# Altium PCB QCLogic Rev A.PcbDoc (part 1 of 3)
Units mm, origin at the board's own origin, x right, y up, seen from the top; angles counter-clockwise.
Board outline 42 x 51.55 mm, 6 copper layers (Layer 1, Layer 2, Layer 3, Layer 4, Layer 5, Layer 6), stack 1.598 mm thick; 239 components, 183 nets, 740 pads, 472 vias.
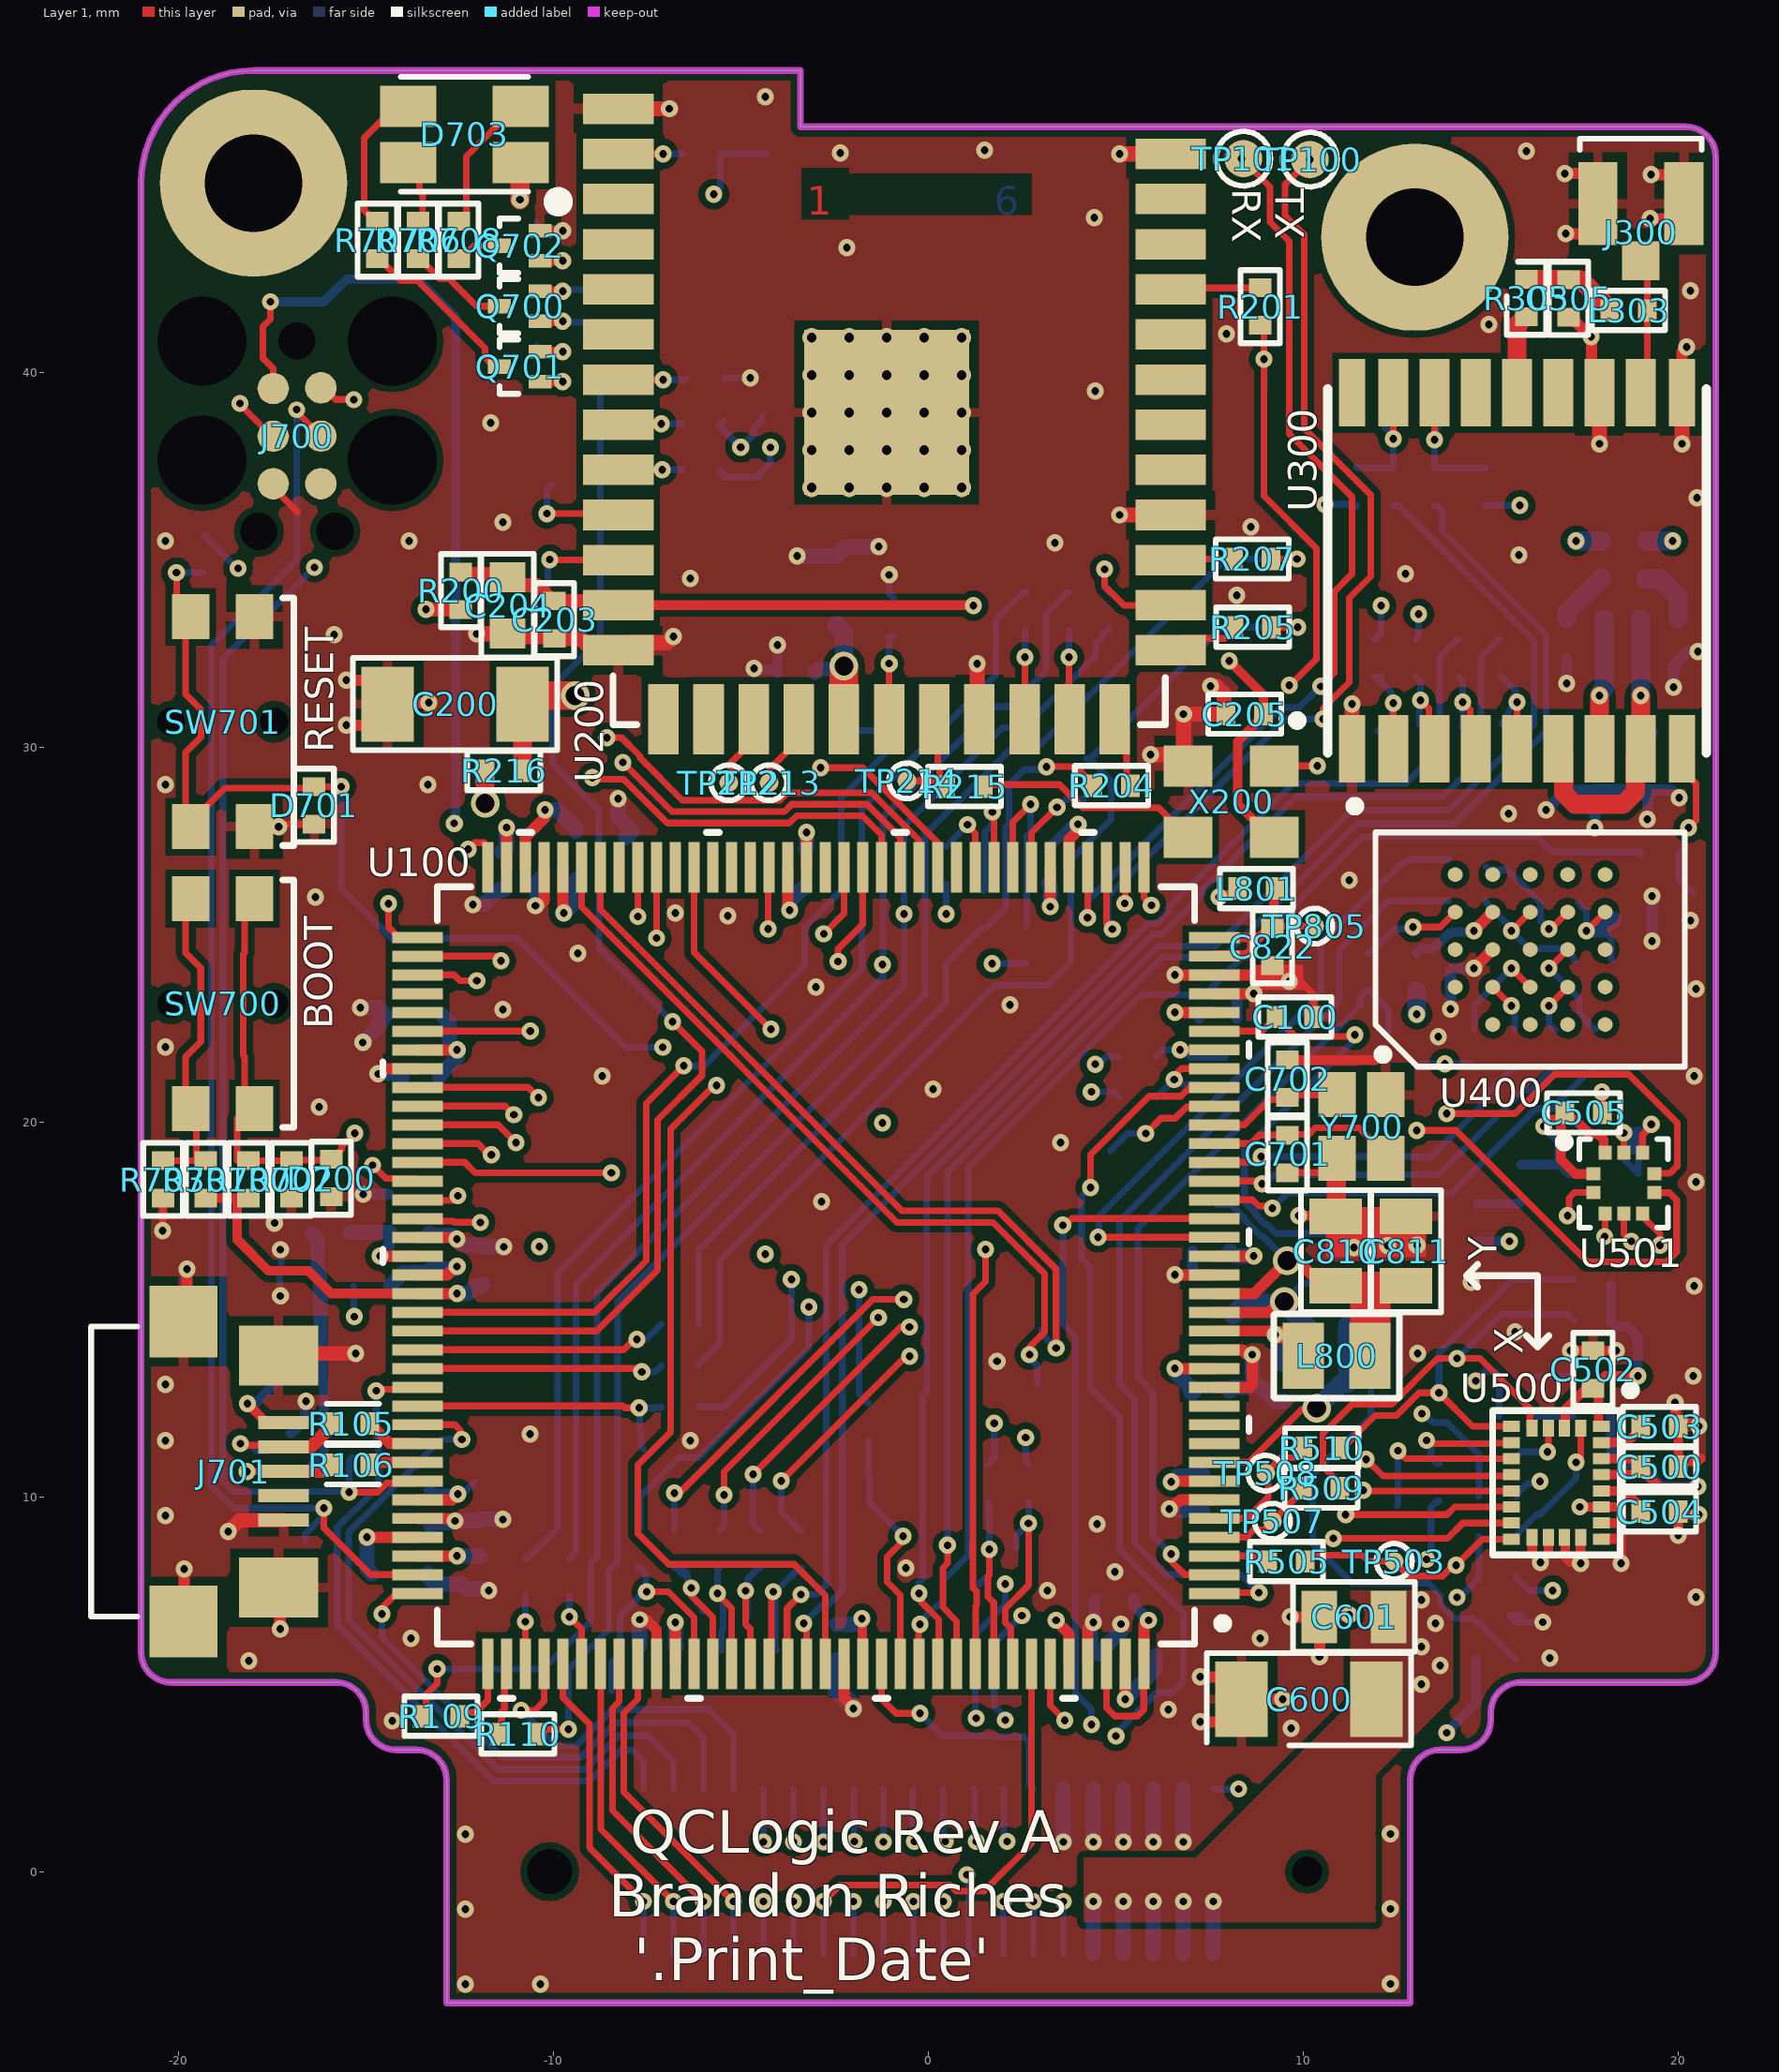
[diagram p0: Layer 1 view]
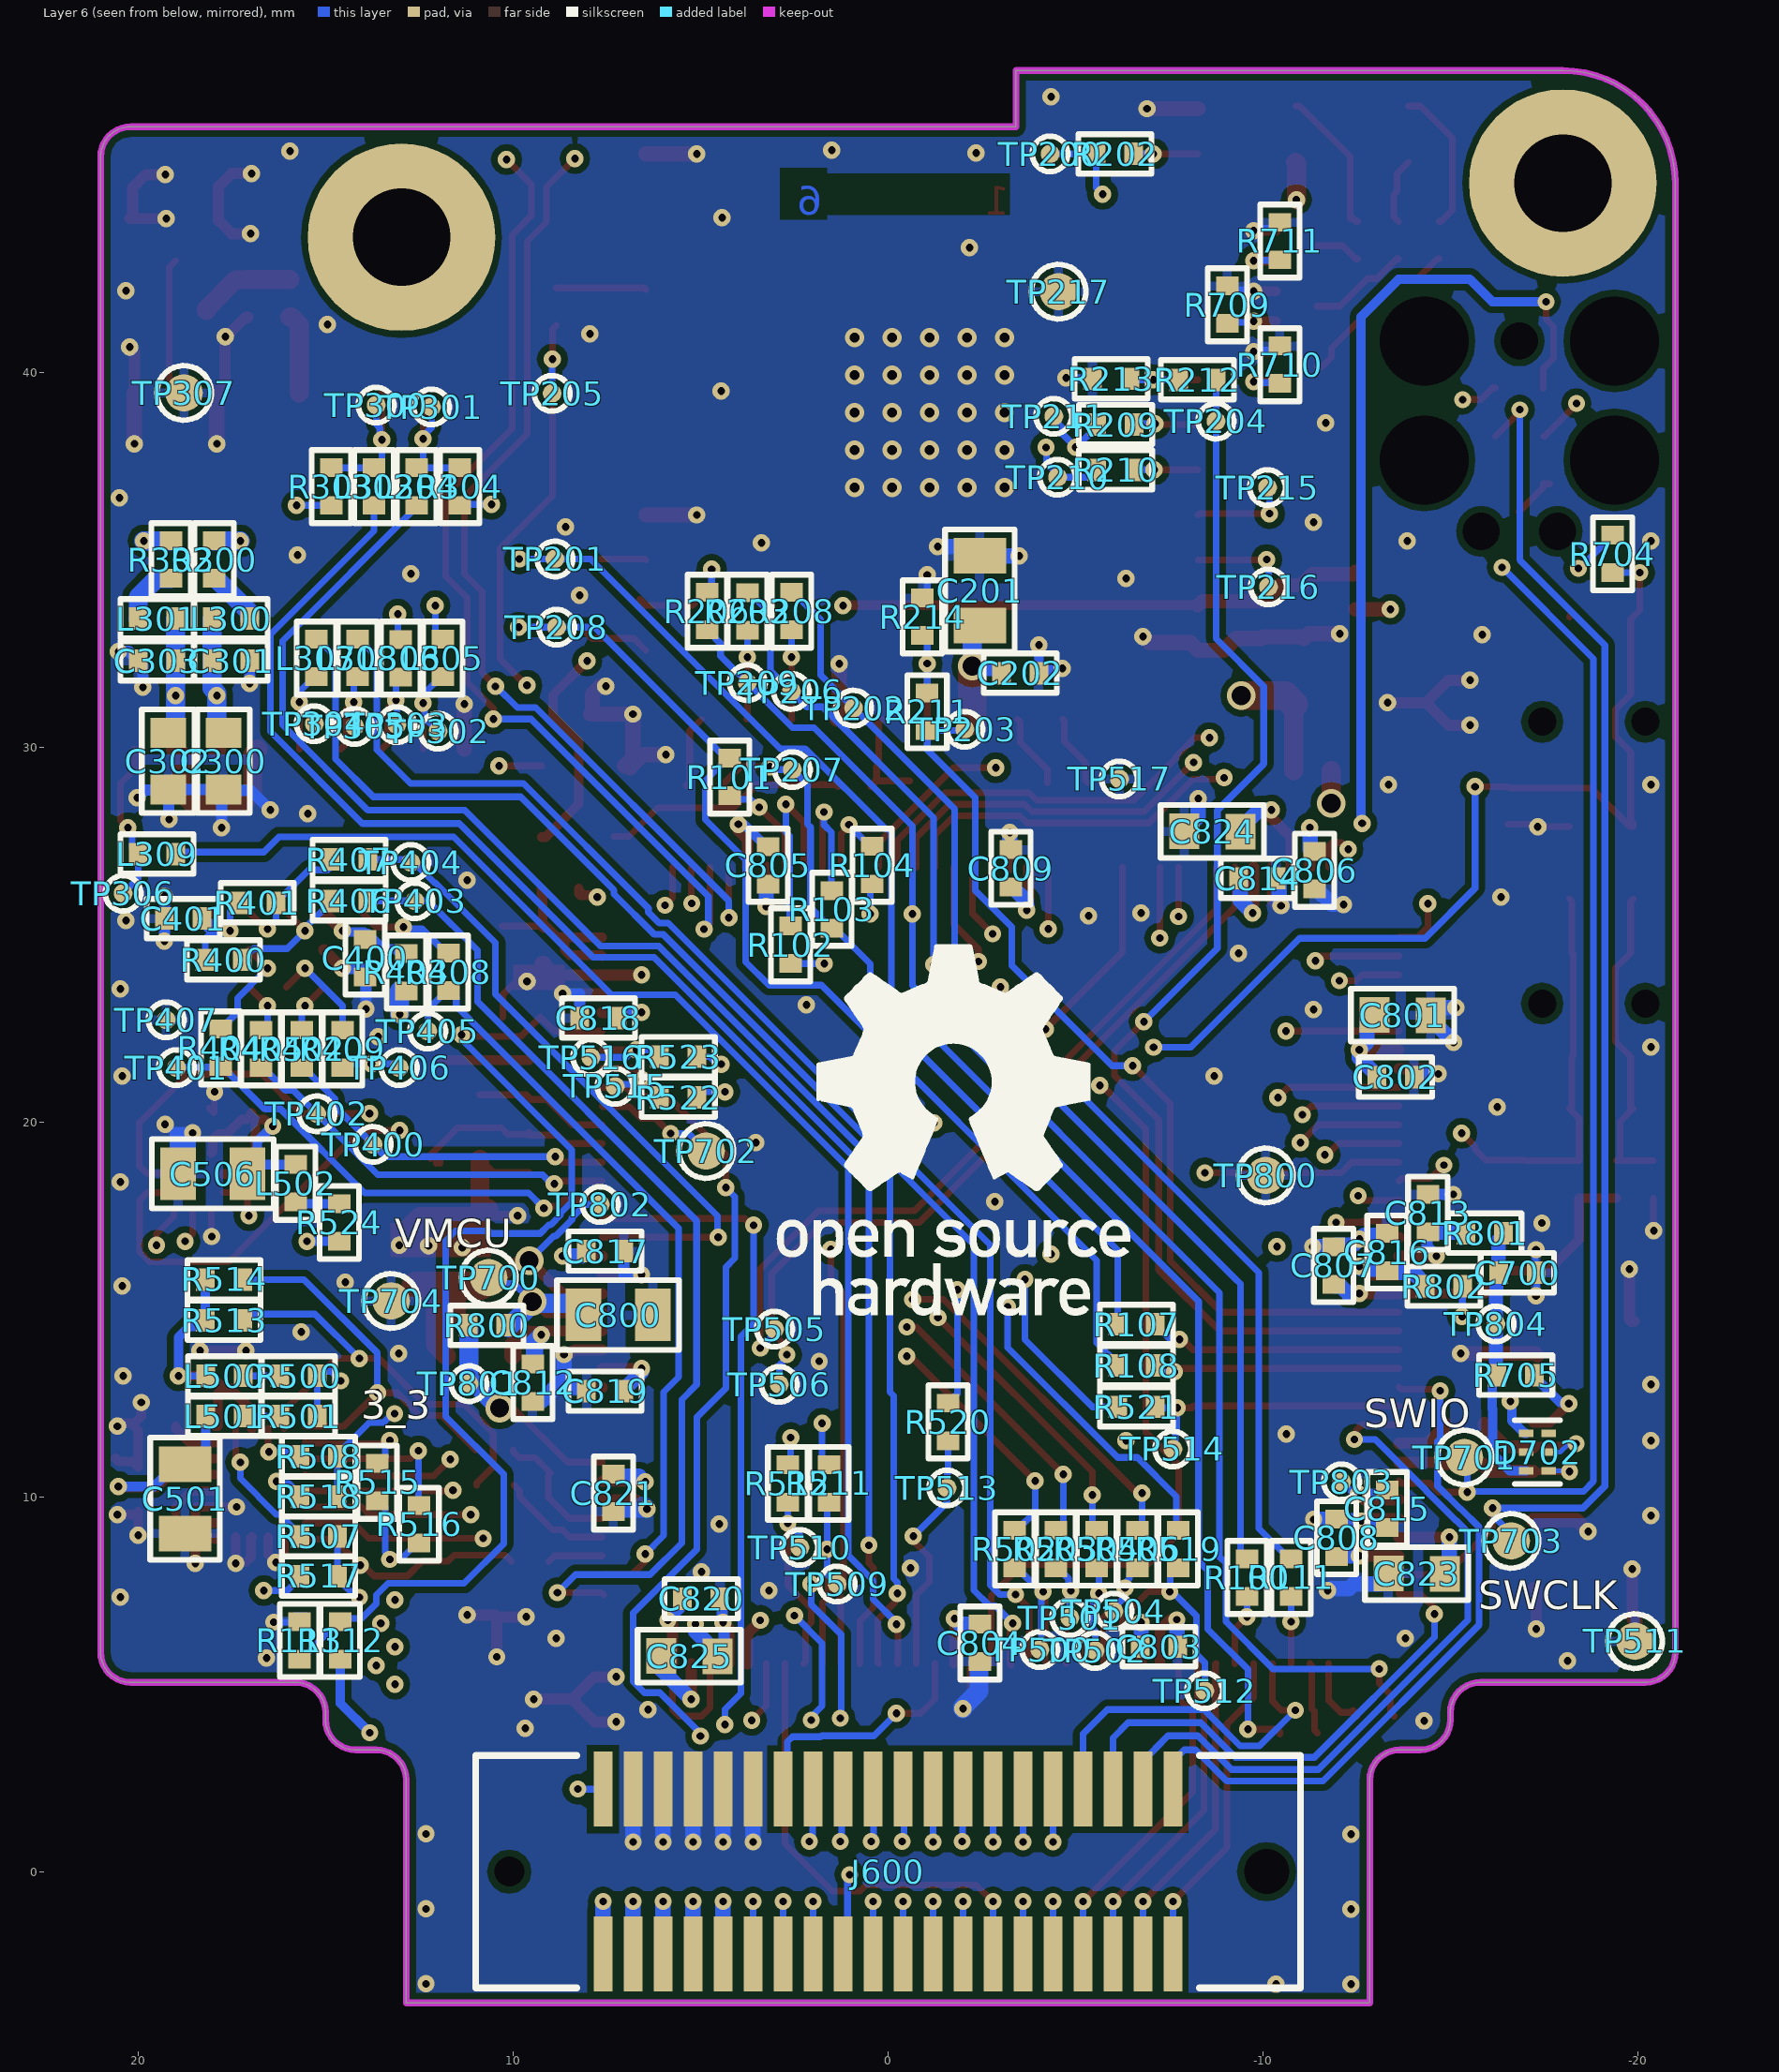
[diagram p1: Layer 6 view, seen from below]
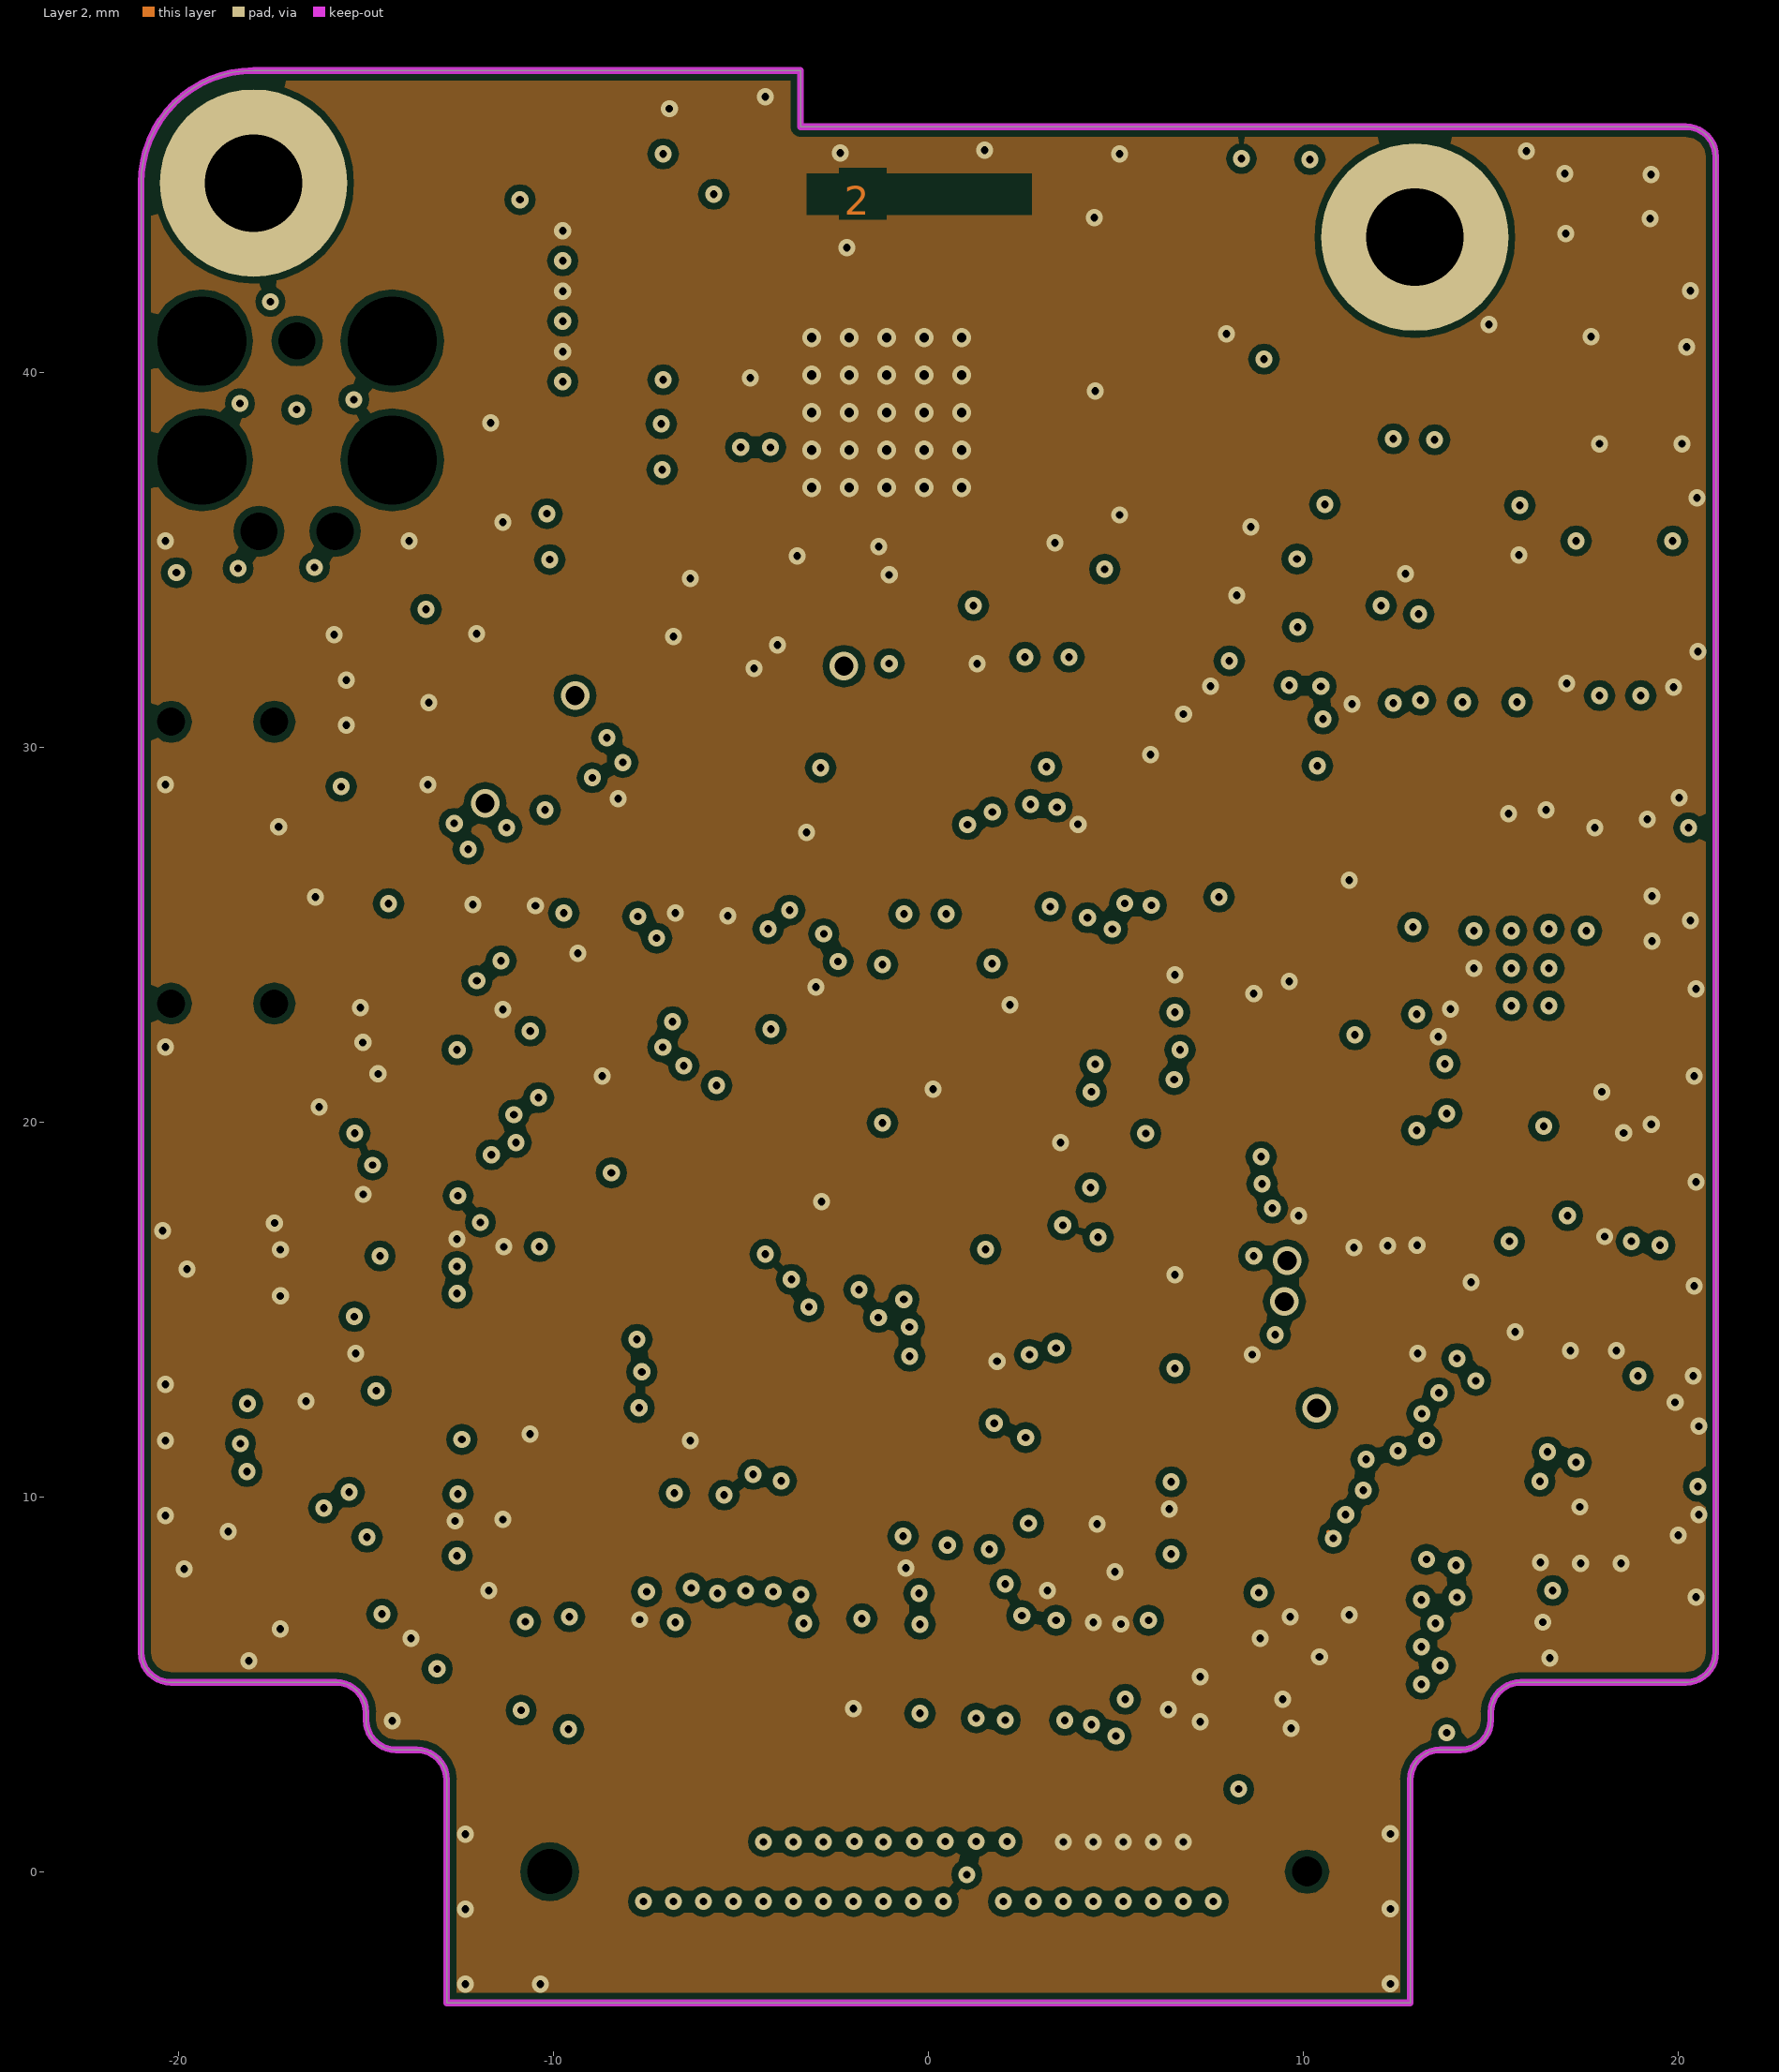
[diagram p2: Layer 2]
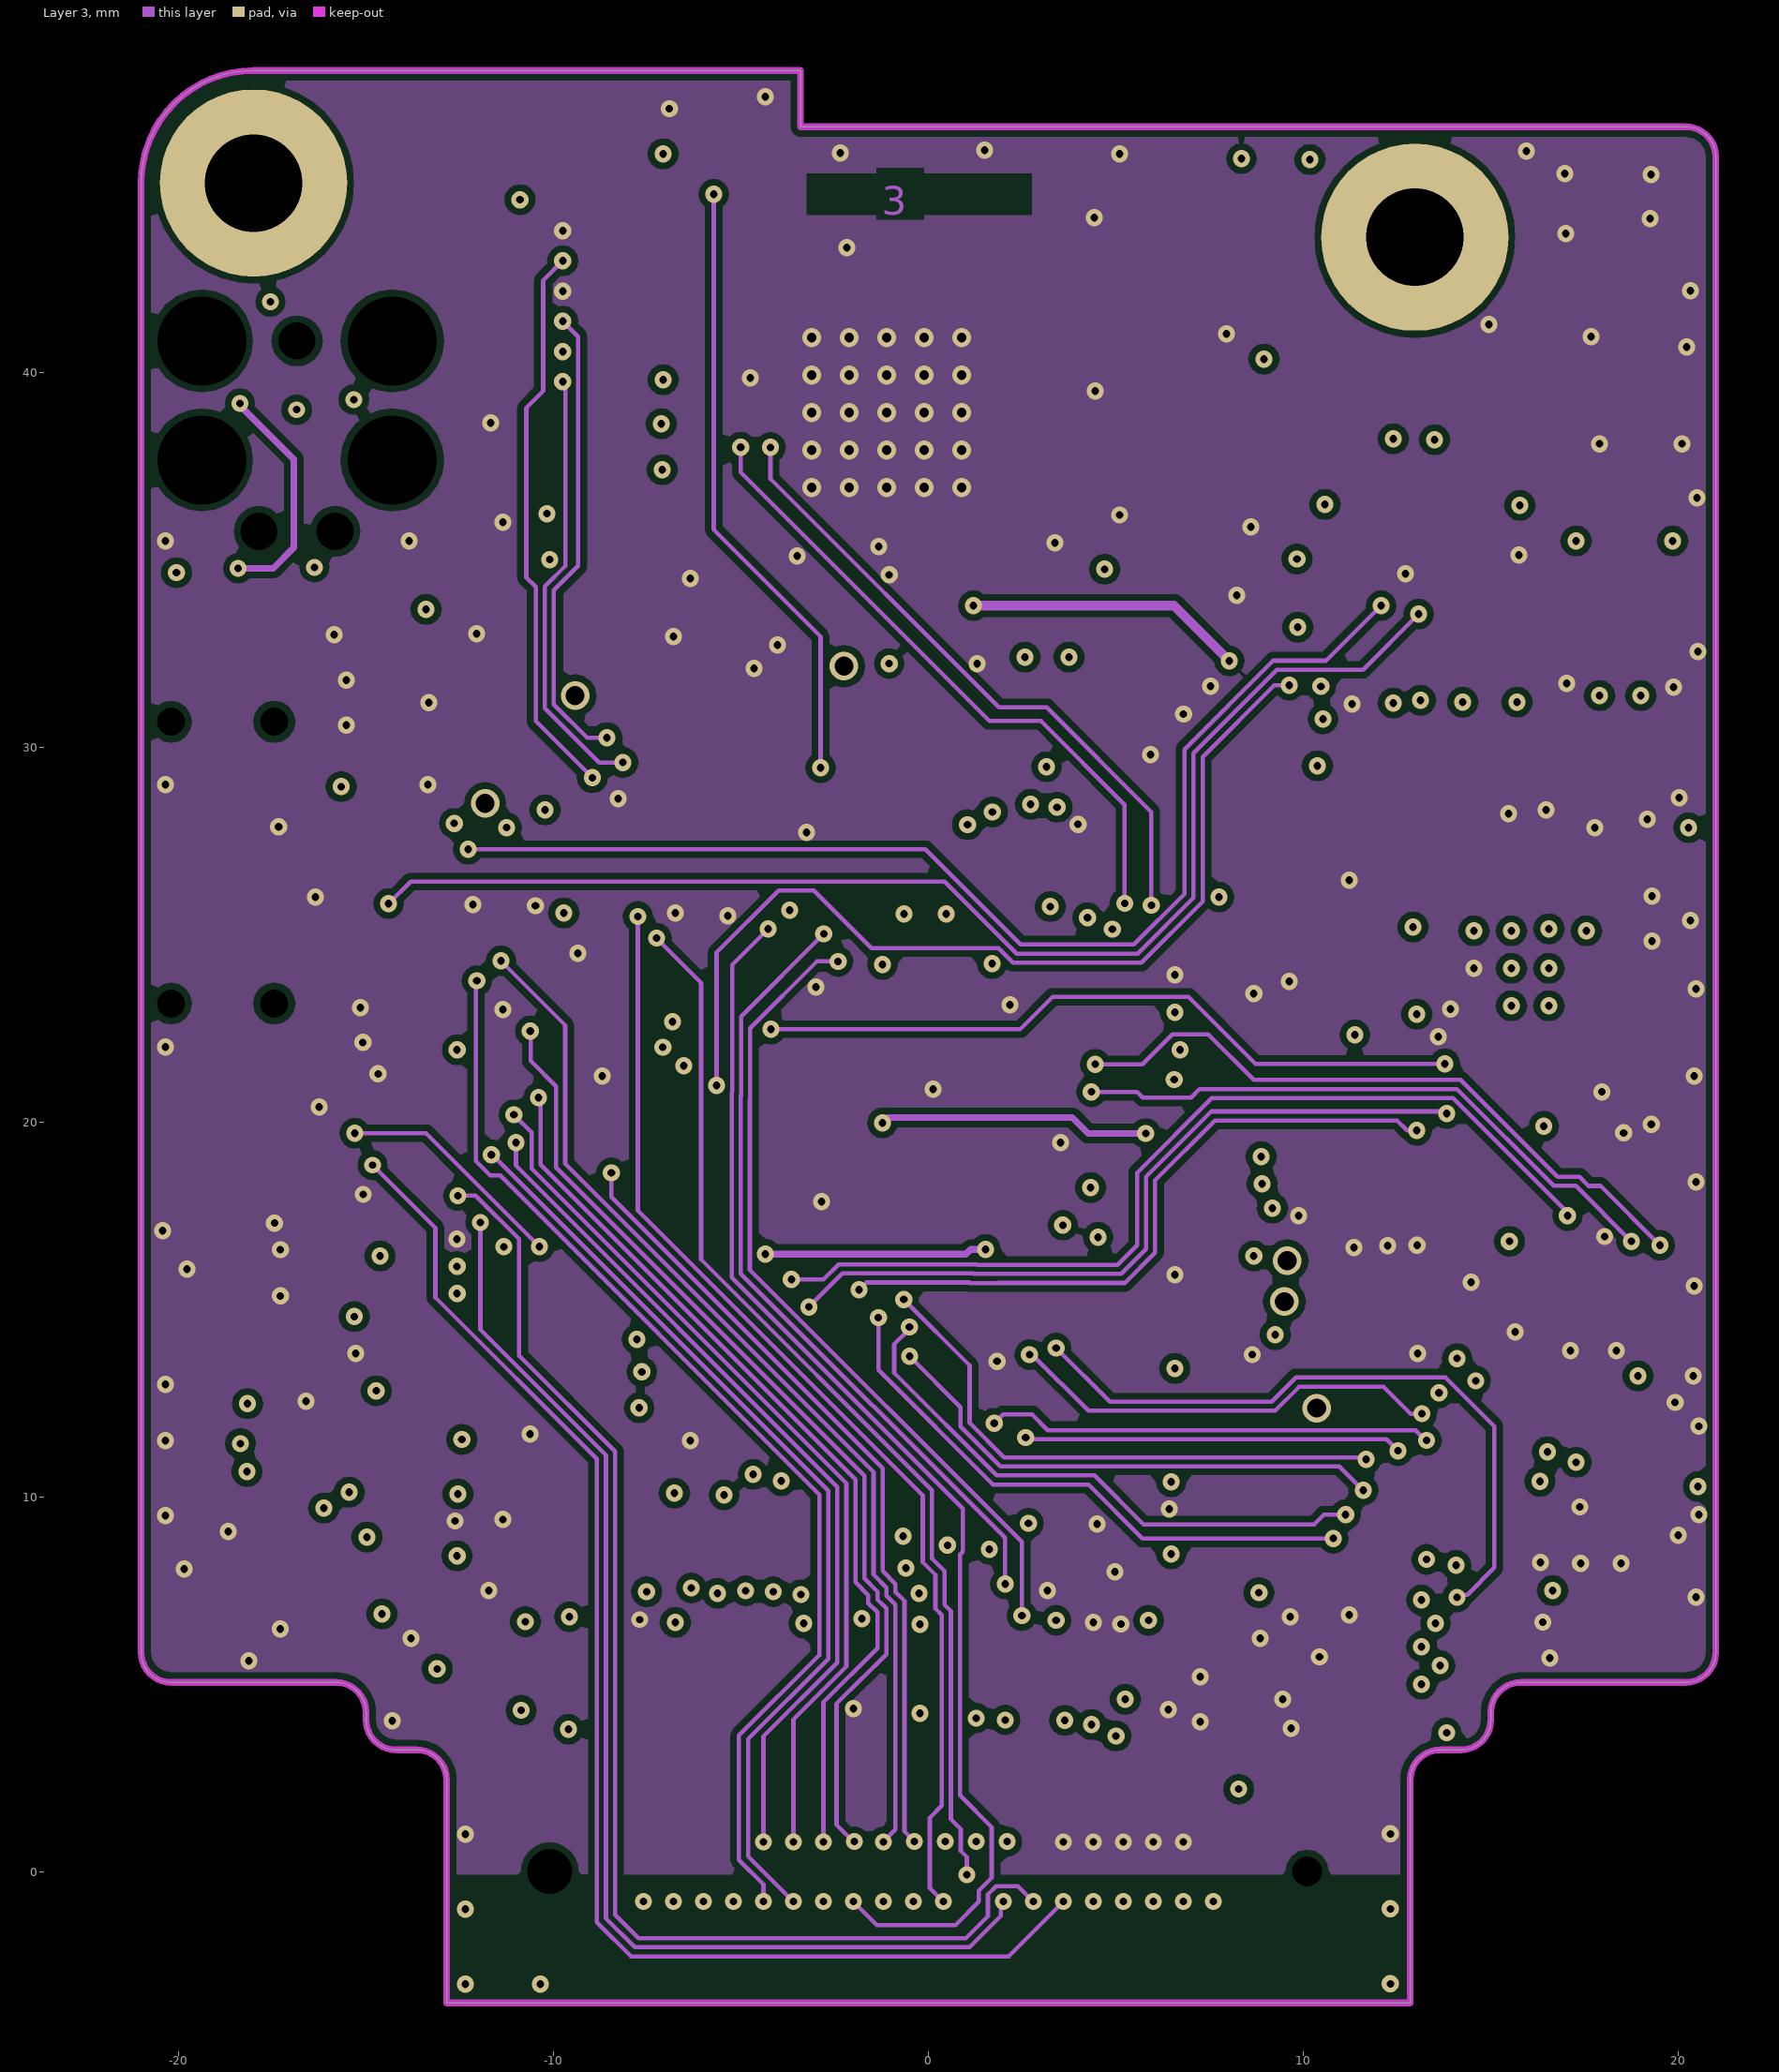
[diagram p3: Layer 3]